# Altium PCB PCB_v2.PcbDoc (part 7 of 8) (continued)
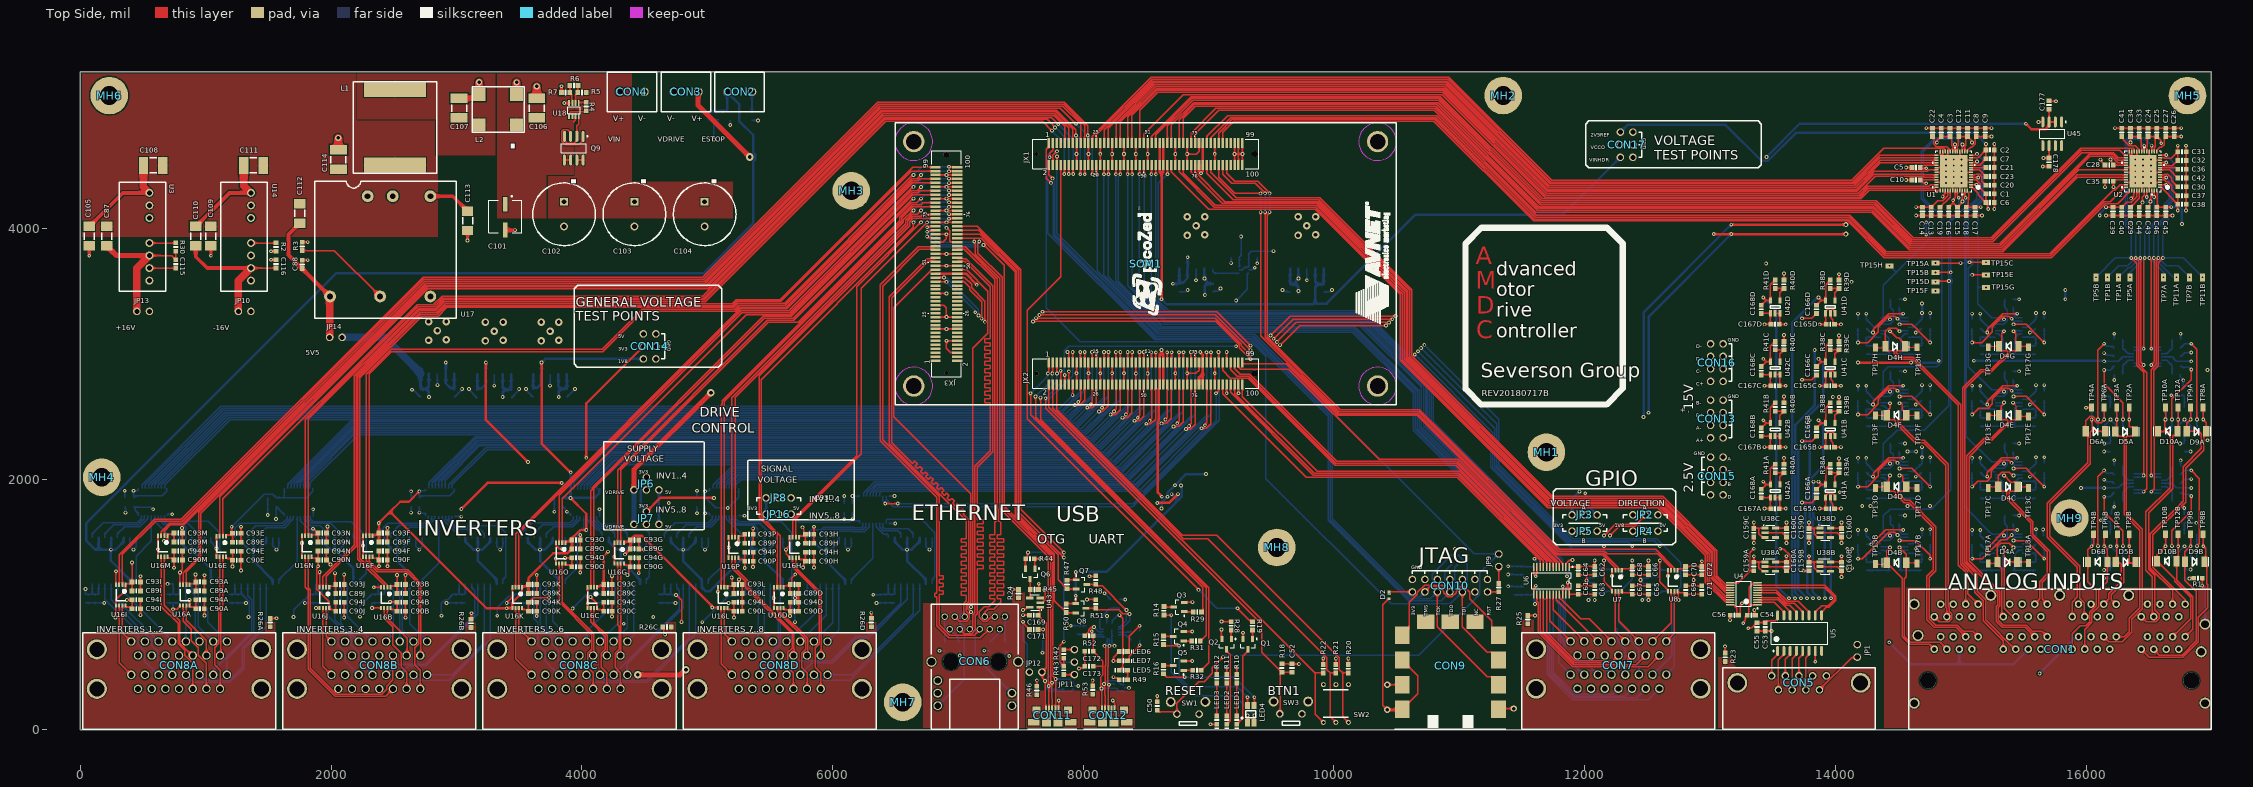
[diagram p0: Top Side view]
## Nets (pads, with @x,y where several pads share a name; then routed paths per layer and width w, separated by ;. In a path a pad name is that pad's centre, name@x,y a point inside that pad or via, vN(x,y) a via of type N, cw(c..) or ccw(c..) an arc to the next point about the centre after c; other vN are vias at no path point) (continued)
NetC59_2: C59.2 CON6.1 | length 137.3
  Bottom Side w10: C59.2@7255,698.9 7327.35,771.24 7327.35,795.38 CON6.1@7335,803.03
NetC60_2: C60.2 CON6.7 | length 204.1
  Bottom Side w10: C60.2@7375,698.9 CON6.7@7375,903.03
NetC87_2: C87.2 C115.2 JP13.2 R30.1 U3.6 | length 1150.5
  Top Side w10: U3.6@550,3783.81 726.93,3783.81 C115.2@760,3750.74 760,3817.82 R30.1@760.71,3818.53
  Top Side w40: C87.2@210,3861.05 287.23,3783.81 U3.6@550,3783.81
  Top Side w60: JP13.2@450,3338.53 450,3683.81 U3.6@550,3783.81
NetC88_2: C88.2 C112.2 JP14.2 U17.6 | length 1084.2
  Top Side w30: C112.2@1750,4042.52 1660,3952.52 1660,3788.33 C88.2@1768.28,3680.05 1768.28,3679.65 U17.6@1987.7,3460.22
  Top Side w60: JP14.2@1987.7,3131.37 U17.6@1987.7,3460.22
NetC101_1: C101.1 C106.2 L2.1 Q9.5 Q9.6 U18.7 | length 105.5
  Top Side w10: Q9.5@3860.67,4545.64 Q9.6@3910.67,4545.64 ; 3931.4,4849.04 3946.76,4864.41 3946.76,4894.1 U18.7@3949.63,4896.97
NetC107_2: C107.2 L1.1 L2.4
NetC110_2: C110.2 C116.1 JP10.1 U14.7 | length 1150.7
  Top Side w10: U14.7@1360,3683.81 C116.1@1560,3683.81
  Top Side w30: C110.2@920,3861.05 920,3774.65 1010.83,3683.81 U14.7@1360,3683.81
  Top Side w60: JP10.1@1260,3338.53 1260,3583.81 U14.7@1360,3683.81
NetC169_2: C169.2 CON11.1 D7.3 JP11.2 JP12.1 U43.1 | length 1466.1
  Top Side w10: U43.1@7657.32,977.6 7652.17,972.44 7652.17,928.7 C169.2@7638.46,915 7705,848.46 7705,495 JP12.1@7670,460 7675.41,454.59 7675.41,412.84 7695,393.25 v1(7695,390) 7698.31,386.69 7698.31,170.28 CON11.1@7701.18,167.4
  Bottom Side w10: D7.3@7922.4,324.41 7920.43,324.41 7902.56,306.54 7733.11,306.54 7695,344.64 v1(7695,390) 7845,540 JP11.2@7930,540
NetC170_2: C170.2 C171.2 JP12.2 | length 506
  Top Side w10: v1(7520,861.97) 7523.83,858.14 7523.83,847.71 C171.2@7571.54,800
  Bottom Side w10: v1(7520,861.97) C170.2@7520.04,715 7552.54,682.5 7552.54,490.99 7570,473.53 JP12.2@7570,460
NetC172_1: C172.1 C173.1 CON12.1 D8.3 R52.2 U44.7 | length 1037.2
  Top Side w10: v1(8067.46,786.63) 8067.46,761.01 R52.2@8078.46,750 8079.72,748.74 C172.1@8079.72,626.57 8157.43,548.87 8157.43,506.57 ; C173.1@8079.72,506.57 8157.43,506.57 ; CON12.1@8148.54,167.4 8146.77,169.17 8146.77,328.23 v1(8145,330) 8140,335 8140,421.9 8157.43,439.32 8157.43,506.57
  Bottom Side w10: v1(8067.46,786.63) 8093.62,760.47 U44.7@8157.92,760.47 ; v1(8145,330) 8263.87,330 8284.46,309.41 D8.3@8327.4,309.41
NetC174_2: C174.2 C175.2 U44.6 | length 228.3
  Bottom Side w10: C175.2@7950,761.54 C174.2@8025,761.54 8038.7,747.83 8085.04,747.83 8092.09,740.79 U44.6@8169.73,740.79
NetC176_2: C176.2 R56.2 U44.9 | length 302.3
  Bottom Side w10: U44.9@8157.92,799.84 8157.01,800.75 8138.93,800.75 8130.2,809.48 8130.2,884.02 8204.01,957.83 8206.3,957.83 C176.2@8220,971.54 R56.2@8290,971.54
NetC181A_2: C181A.2 R57A.2 U46A.3 | length 175.9
  Bottom Side w10: C181A.2@16293.46,2835 R57A.2@16293.46,2905 16337.48,2949.02 16379.84,2949.02 U46A.3@16380.75,2949.92
NetC181B_2: C181B.2 R57B.2 U46B.3 | length 175.9
  Bottom Side w10: C181B.2@16293.46,1825 R57B.2@16293.46,1895 16337.48,1939.02 16379.84,1939.02 U46B.3@16380.75,1939.92
NetC182A_1: C182A.1 R58A.2 U46A.5 | length 175.5
  Bottom Side w10: C182A.1@16293.46,3115 R58A.2@16293.46,3045 16336.46,3002.01 16379.84,3002.01 U46A.5@16380.75,3001.1
NetC182B_1: C182B.1 R58B.2 U46B.5 | length 175.5
  Bottom Side w10: C182B.1@16293.46,2105 R58B.2@16293.46,2035 16336.46,1992.01 16379.84,1992.01 U46B.5@16380.75,1991.1
NetC185A_2: C185A.2 R59A.2 U46A.10 | length 175.5
  Bottom Side w10: U46A.10@16599.25,3001.1 16600.16,3002.01 16643.54,3002.01 R59A.2@16686.54,3045 C185A.2@16686.54,3115
NetC185B_2: C185B.2 R59B.2 U46B.10 | length 175.5
  Bottom Side w10: U46B.10@16599.25,1991.1 16600.16,1992.01 16643.54,1992.01 R59B.2@16686.54,2035 C185B.2@16686.54,2105
NetC186A_1: C186A.1 R60A.2 U46A.12 | length 175.9
  Bottom Side w10: U46A.12@16599.25,2949.92 16600.16,2949.02 16642.52,2949.02 R60A.2@16686.54,2905 C186A.1@16686.54,2835
NetC186B_1: C186B.1 R60B.2 U46B.12 | length 175.9
  Bottom Side w10: U46B.12@16599.25,1939.92 16600.16,1939.02 16642.52,1939.02 R60B.2@16686.54,1895 C186B.1@16686.54,1825
NetCON2_2: CON2.2 R13.2 | length 160
  Bottom Side w15: R13.2@5356.85,4930 CON2.2@5356.85,5090
NetCON10_2: CON10.2 D2.C | length 186.1
  Top Side w10: D2.C@10440,1102.56 10441.28,1101.28 10623.72,1101.28 CON10.2@10625,1100
NetCON10_14: CON10.14 R27.2 | length 90.3
  Top Side w10: CON10.14@11225,1100 11314.21,1100 R27.2@11315,1100.79
NetJP2_2: JP2.2 U6.2 | length 821.8
  Top Side w10: U6.2@11850.16,1300.24 11850.16,1325.83 11859.84,1335.51 11859.84,1335.87 11875.39,1351.42 11898.83,1351.42 v1(11902.66,1355.25) ; v1(12155,1550) 12245,1640 12410,1640 JP2.2@12485,1715
  Ground Layer w10: v1(11902.66,1355.25) 11960.25,1355.25 v1(12155,1550)
NetJP4_2: JP4.2 U9.2 | length 1111
  Top Side w10: v1(12201.63,1550) 12276.63,1625 12445,1625 JP4.2@12485,1585
  Ground Layer w10: v1(11600,1365) 11634.75,1330.25 11981.88,1330.25 v1(12201.63,1550)
  Bottom Side w10: v1(11600,1365) 11600,1360.45 11618.94,1341.51 11618.94,1301.14 U9.2@11619.84,1300.24
NetJP9_2: JP9.2 R27.1 | length 135.2
  Top Side w10: R27.1@11315,1167.72 JP9.2@11315,1302.89
NetJP11_1: JP11.1 R42.2 | length 85.6
  Top Side w10: R42.2@7845,638.46 7846.54,640 JP11.1@7930,640
NetJP11_3: JP11.3 R43.2 | length 85.6
  Top Side w10: R43.2@7845,441.54 7846.54,440 JP11.3@7930,440
NetLED1_A: LED1.A R10.1 | length 263.1
  Top Side w10: LED1.A@9225,111.06 R10.1@9225,374.13
NetLED1_C: LED1.C Q1.3 | length 634.9
  Top Side w10: LED1.C@9225,44.13 9272.82,91.95 9272.82,587.62 9313.74,628.54 Q1.3@9313.74,642.32
NetLED2_A: LED2.A R11.1 | length 263.1
  Top Side w10: LED2.A@9145,111.06 R11.1@9145,374.13
NetLED2_C: LED2.C Q2.3 | length 622.5
  Top Side w10: Q2.3@9143.74,642.32 9143.74,628.54 9173.7,598.58 9173.7,72.83 LED2.C@9145,44.13
NetLED3_A: LED3.A R12.1 | length 263.1
  Top Side w10: LED3.A@9065,111.06 R12.1@9065,374.13
NetLED4_2: LED4.2 R14.2 | length 1378.4
  Top Side w10: R14.2@8643.62,916.34 8645.16,914.8 v1(8702.28,914.8) ; LED4.2@9363.9,56.1 9365,57.2 v1(9365,115)
  Bottom Side w10: v1(8702.28,914.8) 8702.28,461.15 8891.03,272.4 9207.6,272.4 v1(9365,115)
NetLED4_3: LED4.3 R15.2 | length 1055.3
  Top Side w10: R15.2@8642.13,679.8 8651.52,670.42 v1(8765,670.42) ; LED4.3@9308.78,193.9 9310,195.12 v1(9310,260)
  Bottom Side w10: v1(8765,670.42) 8765,419.64 8842.91,341.74 9228.26,341.74 v1(9310,260)
NetLED4_4: LED4.4 R16.2 | length 868.1
  Top Side w10: R16.2@8640.6,446.34 8666.94,420 v1(8810,420) ; LED4.4@9363.9,193.9 9365,195 v1(9365,260)
  Bottom Side w10: v1(8810,420) 9205,420 v1(9365,260)
NetLED5_A: LED5.A R49.1 | length 75
  Top Side w10: R49.1@8353.46,400 LED5.A@8353.46,475
NetLED5_C: LED5.C U44.14 | length 560.7
  Top Side w10: LED5.C@8286.54,475 8315.24,503.7 8315.24,889.76 v1(8290,915)
  Bottom Side w10: U44.14@8228.78,850.83 8229.69,851.74 8229.69,869.82 8271.04,911.17 8286.17,911.17 v1(8290,915)
NetLED6_C: LED6.C R54.1 | length 285.6
  Top Side w10: LED6.C@8353.46,625 8367.17,638.7 8367.17,747.17 v1(8450,830)
  Bottom Side w10: R54.1@8448.46,790 8450,791.54 v1(8450,830)
NetLED7_C: LED7.C R55.1 | length 205.6
  Top Side w10: LED7.C@8353.46,550 8367.17,563.7 8367.17,587.16 8450,669.99 v1(8450,675)
  Bottom Side w10: R55.1@8448.46,715 8450,713.46 v1(8450,675)
NetQ1_1: Q1.1 R19.1 | length 72
  Top Side w10: R19.1@9350,796.54 9351.14,795.39 Q1.1@9351.14,725
NetQ2_1: Q2.1 R28.1 | length 72.2
  Top Side w10: R28.1@9179.65,796.54 9179.65,726.5 Q2.1@9181.14,725
NetQ3_1: Q3.1 R29.1 | length 72.4
  Top Side w10: Q3.1@8804.96,942.4 8807.01,940.36 R29.1@8876.54,940.36
NetQ3_3: Q3.3 R14.1 | length 80.1
  Top Side w10: R14.1@8643.62,983.27 8647.09,979.8 Q3.3@8722.28,979.8
NetQ4_1: Q4.1 R31.1 | length 65.6
  Top Side w10: Q4.1@8800.6,708.42 8800.8,708.22 R31.1@8866.15,708.22
NetQ4_3: Q4.3 R15.1 | length 78.3
  Top Side w10: R15.1@8640.6,748.27 8643.05,745.82 Q4.3@8717.92,745.82
NetQ5_1: Q5.1 R32.1 | length 72.3
  Top Side w10: Q5.1@8800.6,475 R32.1@8872.87,475
NetQ5_3: Q5.3 R16.1 | length 77.7
  Top Side w10: R16.1@8640.6,513.27 8641.46,512.4 Q5.3@8717.92,512.4
NetQ6_3: Q6.3 R45.1 U43.4 | length 152.9
  Top Side w10: U43.4@7572.68,1052.4 7576.54,1056.26 Q6.3@7576.54,1203.66
NetQ7_3: Q7.3 R48.1 U44.17 | length 574.3
  Top Side w10: Q7.3@8026.34,1160 8098.46,1160 R48.1@8100,1161.54 8113.7,1147.83 8152.17,1147.83 v1(8345,955)
  Bottom Side w10: U44.17@8279.78,819.53 8291.59,819.53 8345,872.94 v1(8345,955)
NetQ8_3: Q8.3 R51.1 U44.18 | length 539.5
  Top Side w10: Q8.3@8021.34,970 R51.1@8097.21,970 ; R51.1@8098.75,971.54 8112.45,957.83 8282.52,957.83 8315.36,925 v1(8370,925)
  Bottom Side w10: U44.18@8279.78,799.84 8280.68,800.75 8298.76,800.75 8370,871.99 v1(8370,925)
NetQ9_1: Q9.1 Q9.3 | length 428.8
  Top Side w10: Q9.3@3910.67,4734.61 3910.67,4766.11 3888.86,4787.92 3851.63,4787.92 3838.86,4775.14 3838.86,4694.08 3866.63,4666.31 3973.86,4666.31 4010.67,4703.12 Q9.1@4010.67,4734.61
NetQ9_2: Q9.2 Q9.4 U18.8 | length 349.5
  Top Side w10: Q9.4@3860.67,4734.61 3860.67,4703.12 3882.48,4681.31 3938.86,4681.31 3960.67,4703.12 3960.67,4818.03 3975.23,4832.59 U18.8@3975.23,4896.97
NetR2_2: R2.2 U14.5 | length 200.7
  Top Side w10: U14.5@1360,3883.81 1558.36,3883.81 R2.2@1560,3885.46
NetR2A_2: R2A.2 R3A.1 U3A.9 | length 602.9
  Top Side w10: v1(15091.63,1365) 15171.78,1365 15321.78,1515 15366.63,1515 v1(15406.63,1555)
  Bottom Side w10: R3A.1@15089.7,1480 R2A.2@15089.7,1410 15091.63,1408.07 v1(15091.63,1365) ; v1(15406.63,1555) 15412.04,1555 15430.51,1536.53 U3A.9@15492.42,1536.53
NetR2B_2: R2B.2 R3B.1 U3B.9 | length 619.5
  Top Side w10: v1(14181.63,1365) 14216.28,1365 14426.28,1575 14474.21,1575 14494.21,1555 v1(14496.63,1555)
  Bottom Side w10: R3B.1@14179.7,1480 R2B.2@14179.7,1410 14181.63,1408.07 v1(14181.63,1365) ; v1(14496.63,1555) 14502.04,1555 14520.51,1536.53 U3B.9@14582.42,1536.53
NetR2C_2: R2C.2 R3C.1 U3C.9 | length 647.4
  Top Side w10: v1(15091.63,1940) 15134.93,1983.29 15210.28,1983.29 15245.97,2018.99 15245.97,2066.66 15329.31,2150 15384.21,2150 15404.21,2130 v1(15406.63,2130)
  Bottom Side w10: R3C.1@15089.7,2055 R2C.2@15089.7,1985 15091.63,1983.07 v1(15091.63,1940) ; v1(15406.63,2130) 15412.04,2130 15430.51,2111.53 U3C.9@15492.42,2111.53
NetR2D_2: R2D.2 R3D.1 U3D.9 | length 643.4
  Top Side w10: v1(14181.63,1940) 14256.99,1940 14343.55,2026.56 14343.55,2067.27 14426.28,2150 14474.21,2150 14494.21,2130 v1(14496.63,2130)
  Bottom Side w10: R3D.1@14179.7,2055 R2D.2@14179.7,1985 14181.63,1983.07 v1(14181.63,1940) ; v1(14496.63,2130) 14502.04,2130 14520.51,2111.53 U3D.9@14582.42,2111.53
NetR2E_2: R2E.2 R3E.1 U3E.9 | length 643.4
  Top Side w10: v1(15091.63,2515) 15143.17,2566.54 15218.53,2566.54 15253.55,2601.56 15253.55,2642.27 15336.28,2725 15384.21,2725 15404.21,2705 v1(15406.63,2705)
  Bottom Side w10: R3E.1@15089.7,2630 R2E.2@15089.7,2560 15091.63,2558.07 v1(15091.63,2515) ; v1(15406.63,2705) 15425.1,2686.53 U3E.9@15492.42,2686.53
NetR2F_2: R2F.2 R3F.1 U3F.9 | length 643.4
  Top Side w10: v1(14181.63,2515) 14256.99,2515 14343.55,2601.56 14343.55,2642.27 14426.28,2725 14474.21,2725 14494.21,2705 v1(14496.63,2705)
  Bottom Side w10: R3F.1@14179.7,2630 R2F.2@14179.7,2560 14181.63,2558.07 v1(14181.63,2515) ; v1(14496.63,2705) 14502.04,2705 14520.51,2686.53 U3F.9@14582.42,2686.53
NetR2G_2: R2G.2 R3G.1 U3G.9 | length 643.4
  Top Side w10: v1(15091.63,3090) 15166.99,3090 15253.55,3176.56 15253.55,3217.27 15336.28,3300 15384.21,3300 15404.21,3280 v1(15406.63,3280)
  Bottom Side w10: R3G.1@15089.7,3205 R2G.2@15089.7,3135 15091.63,3133.07 v1(15091.63,3090) ; v1(15406.63,3280) 15425.1,3261.53 U3G.9@15492.42,3261.53
NetR2H_2: R2H.2 R3H.1 U3H.9 | length 643.4
  Top Side w10: v1(14181.63,3090) 14256.99,3090 14343.55,3176.56 14343.55,3217.27 14426.28,3300 14474.21,3300 14494.21,3280 v1(14496.63,3280)
  Bottom Side w10: R3H.1@14179.7,3205 R2H.2@14179.7,3135 14181.63,3133.07 v1(14181.63,3090) ; v1(14496.63,3280) 14502.04,3280 14520.51,3261.53 U3H.9@14582.42,3261.53
NetR3_2: R3.2 U17.5 | length 774.5
  Top Side w10: R3.2@1768.28,3823.61 2024.58,3823.61 U17.5@2391.01,3457.17
NetR3A_2: R3A.2 R5A.1 U3A.8 | length 553.3
  Top Side w10: v1(15211.63,1445) 15211.63,1450.36 15356.28,1595 v1(15451.63,1595)
  Bottom Side w10: R3A.2@15156.63,1480 15187.81,1448.83 15207.81,1448.83 v1(15211.63,1445) ; R5A.1@15416.63,1645 15420.77,1640.86 15420.77,1580.86 15426.63,1575 ; v1(15451.63,1595) 15446.63,1595 15426.63,1575 ; U3A.8@15492.42,1562.12 15439.51,1562.12 15426.63,1575
NetR3B_2: R3B.2 R5B.1 U3B.8 | length 521.2
  Top Side w10: v1(14286.63,1480) 14401.63,1595 v1(14541.63,1595)
  Bottom Side w10: R3B.2@14246.63,1480 v1(14286.63,1480) ; R5B.1@14506.63,1645 14510.77,1640.86 14510.77,1580.86 14516.63,1575 ; v1(14541.63,1595) 14536.63,1595 14516.63,1575 ; U3B.8@14582.42,1562.12 14529.51,1562.12 14516.63,1575
NetR3C_2: R3C.2 R5C.1 U3C.8 | length 569.8
  Top Side w10: v1(15211.63,2020) 15211.63,2053.54 15328.1,2170 v1(15451.63,2170)
  Bottom Side w10: R3C.2@15156.63,2055 15187.81,2023.83 15207.81,2023.83 v1(15211.63,2020) ; R5C.1@15416.63,2220 15420.77,2215.86 15420.77,2155.86 15426.63,2150 ; v1(15451.63,2170) 15446.63,2170 15426.63,2150 ; U3C.8@15492.42,2137.12 15439.51,2137.12 15426.63,2150
NetR3D_2: R3D.2 R5D.1 U3D.8 | length 565.7
  Top Side w10: v1(14301.63,2020) 14305.06,2023.43 14305.06,2050 14425.06,2170 v1(14541.63,2170)
  Bottom Side w10: R3D.2@14246.63,2055 14277.81,2023.83 14297.81,2023.83 v1(14301.63,2020) ; R5D.1@14506.63,2220 14510.77,2215.86 14510.77,2155.86 14516.63,2150 ; v1(14541.63,2170) 14536.63,2170 14516.63,2150 ; U3D.8@14582.42,2137.12 14529.51,2137.12 14516.63,2150
NetR3E_2: R3E.2 R5E.1 U3E.8 | length 565.7
  Top Side w10: v1(15211.63,2595) 15215.06,2598.43 15215.06,2625 15335.06,2745 v1(15451.63,2745)
  Bottom Side w10: R3E.2@15156.63,2630 15187.81,2598.83 15207.81,2598.83 v1(15211.63,2595) ; R5E.1@15416.63,2795 15420.77,2790.86 15420.77,2730.86 15426.63,2725 ; v1(15451.63,2745) 15446.63,2745 15426.63,2725 ; U3E.8@15492.42,2712.12 15439.51,2712.12 15426.63,2725
NetR3F_2: R3F.2 R5F.1 U3F.8 | length 565.7
  Top Side w10: v1(14301.63,2595) 14305.06,2598.43 14305.06,2625 14425.06,2745 v1(14541.63,2745)
  Bottom Side w10: R3F.2@14246.63,2630 14277.81,2598.83 14297.81,2598.83 v1(14301.63,2595) ; R5F.1@14506.63,2795 14510.77,2790.86 14510.77,2730.86 14516.63,2725 ; v1(14541.63,2745) 14536.63,2745 14516.63,2725 ; U3F.8@14582.42,2712.12 14529.51,2712.12 14516.63,2725
NetR3G_2: R3G.2 R5G.1 U3G.8 | length 565.7
  Top Side w10: v1(15211.63,3170) 15215.06,3173.43 15215.06,3200 15335.06,3320 v1(15451.63,3320)
  Bottom Side w10: R3G.2@15156.63,3205 15187.81,3173.83 15207.81,3173.83 v1(15211.63,3170) ; R5G.1@15416.63,3370 15420.77,3365.86 15420.77,3305.86 15426.63,3300 ; v1(15451.63,3320) 15446.63,3320 15426.63,3300 ; U3G.8@15492.42,3287.12 15439.51,3287.12 15426.63,3300
NetR3H_2: R3H.2 R5H.1 U3H.8 | length 565.7
  Top Side w10: v1(14301.63,3170) 14305.06,3173.43 14305.06,3200 14425.06,3320 v1(14541.63,3320)
  Bottom Side w10: R3H.2@14246.63,3205 14277.81,3173.83 14297.81,3173.83 v1(14301.63,3170) ; R5H.1@14506.63,3370 14510.77,3365.86 14510.77,3305.86 14516.63,3300 ; v1(14541.63,3320) 14536.63,3320 14516.63,3300 ; U3H.8@14582.42,3287.12 14529.51,3287.12 14516.63,3300
NetR4_1: R4.1 U18.5 | length 165.7
  Top Side w10: U18.5@3898.45,4896.97 3898.45,4913.12 3906.17,4920.83 3906.17,4925.13 3912.03,4930.99 4026.79,4930.99 R4.1@4034.81,4939.01
NetR5_1: R5.1 R6.2 U18.2 | length 148.2
  Top Side w10: U18.2@3949.63,5000.12 3949.63,5066.88 R5.1@3967.88,5085.12 3967.88,5138.49 R6.2@3969.51,5140.12
NetR6_1: R6.1 R7.2 U18.3 | length 148.9
  Top Side w10: R6.1@3902.58,5140.12 3904.35,5138.35 R7.2@3904.35,5085.12 3918.05,5071.42 3918.05,5022.26 3924.04,5016.27 U18.3@3924.04,5000.12
NetR8A_2: R8A.2 R9A.1 U3A.10 | length 491.4
  Top Side w10: v1(15421.63,1510) 15521.63,1510 15561.63,1470 15561.99,1470 15576.63,1455.36 15576.63,1455 v1(15666.63,1365)
  Bottom Side w10: v1(15421.63,1510) 15422.1,1510.47 15491.95,1510.47 U3A.10@15492.42,1510.94 ; v1(15666.63,1365) R8A.2@15666.63,1410 R9A.1@15666.63,1480
NetR8B_2: R8B.2 R9B.1 U3B.10 | length 506.5
  Top Side w10: v1(14511.63,1510) 14511.99,1509.64 14638.08,1509.64 14756.63,1391.1 v1(14756.63,1365)
  Bottom Side w10: v1(14511.63,1510) 14512.1,1510.47 14581.95,1510.47 U3B.10@14582.42,1510.94 ; v1(14756.63,1365) R8B.2@14756.63,1410 R9B.1@14756.63,1480
NetR8C_2: R8C.2 R9C.1 U3C.10 | length 491.4
  Top Side w10: v1(15421.63,2085) 15521.63,2085 15561.63,2045 15561.99,2045 15576.63,2030.36 15576.63,2030 v1(15666.63,1940)
  Bottom Side w10: v1(15421.63,2085) 15422.1,2085.47 15491.95,2085.47 U3C.10@15492.42,2085.94 ; v1(15666.63,1940) R8C.2@15666.63,1985 R9C.1@15666.63,2055
NetR8D_2: R8D.2 R9D.1 U3D.10 | length 491.4
  Top Side w10: v1(14511.63,2085) 14611.63,2085 14651.63,2045 14651.99,2045 14666.63,2030.36 14666.63,2030 v1(14756.63,1940)
  Bottom Side w10: v1(14511.63,2085) 14512.1,2085.47 14581.95,2085.47 U3D.10@14582.42,2085.94 ; v1(14756.63,1940) R8D.2@14756.63,1985 R9D.1@14756.63,2055
NetR8E_2: R8E.2 R9E.1 U3E.10 | length 491.4
  Top Side w10: v1(15421.63,2660) 15521.63,2660 15561.63,2620 15561.99,2620 15576.63,2605.36 15576.63,2605 v1(15666.63,2515)
  Bottom Side w10: v1(15421.63,2660) 15422.1,2660.47 15491.95,2660.47 U3E.10@15492.42,2660.94 ; v1(15666.63,2515) R8E.2@15666.63,2560 R9E.1@15666.63,2630
NetR8F_2: R8F.2 R9F.1 U3F.10 | length 491.4
  Top Side w10: v1(14511.63,2660) 14611.63,2660 14651.63,2620 14651.99,2620 14666.63,2605.36 14666.63,2605 v1(14756.63,2515)
  Bottom Side w10: v1(14511.63,2660) 14512.1,2660.47 14581.95,2660.47 U3F.10@14582.42,2660.94 ; v1(14756.63,2515) R8F.2@14756.63,2560 R9F.1@14756.63,2630
NetR8G_2: R8G.2 R9G.1 U3G.10 | length 491.4
  Top Side w10: v1(15421.63,3235) 15521.63,3235 15561.63,3195 15561.99,3195 15576.63,3180.36 15576.63,3180 v1(15666.63,3090)
  Bottom Side w10: v1(15421.63,3235) 15422.1,3235.47 15491.95,3235.47 U3G.10@15492.42,3235.94 ; v1(15666.63,3090) R8G.2@15666.63,3135 R9G.1@15666.63,3205
NetR8H_2: R8H.2 R9H.1 U3H.10 | length 491.4
  Top Side w10: v1(14511.63,3235) 14611.63,3235 14651.63,3195 14651.99,3195 14666.63,3180.36 14666.63,3180 v1(14756.63,3090)
  Bottom Side w10: v1(14511.63,3235) 14512.1,3235.47 14581.95,3235.47 U3H.10@14582.42,3235.94 ; v1(14756.63,3090) R8H.2@14756.63,3135 R9H.1@14756.63,3205
NetR30_2: R30.2 U3.5 | length 211.4
  Top Side w10: U3.5@550,3883.81 759.06,3883.81 R30.2@760.71,3885.46
NetR38A_1: R38A.1 R39A.2 U41A.4 | length 178.5
  Top Side w10: R38A.1@13960,2051.54 R39A.2@14030,2051.54 13997.4,2018.94 U41A.4@13997.4,1956.57
NetR38B_1: R38B.1 R39B.2 U41B.4 | length 178.5
  Top Side w10: R38B.1@13960,2541.54 R39B.2@14030,2541.54 13997.4,2508.94 U41B.4@13997.4,2446.57
NetR38C_1: R38C.1 R39C.2 U41C.4 | length 178.5
  Top Side w10: R38C.1@13960,3031.54 R39C.2@14030,3031.54 13997.4,2998.94 U41C.4@13997.4,2936.57
NetR38D_1: R38D.1 R39D.2 U41D.4 | length 178.5
  Top Side w10: R38D.1@13960,3521.54 R39D.2@14030,3521.54 13997.4,3488.94 U41D.4@13997.4,3426.57
NetR40A_1: R40A.1 R41A.2 U42A.4 | length 178.5
  Top Side w10: R41A.2@13520,2051.54 R40A.1@13590,2051.54 13557.4,2018.94 U42A.4@13557.4,1956.57
NetR40B_1: R40B.1 R41B.2 U42B.4 | length 178.5
  Top Side w10: R41B.2@13520,2541.54 R40B.1@13590,2541.54 13557.4,2508.94 U42B.4@13557.4,2446.57
NetR40C_1: R40C.1 R41C.2 U42C.4 | length 178.5
  Top Side w10: R41C.2@13520,3031.54 R40C.1@13590,3031.54 13557.4,2998.94 U42C.4@13557.4,2936.57
NetR40D_1: R40D.1 R41D.2 U42D.4 | length 178.5
  Top Side w10: R41D.2@13520,3521.54 R40D.1@13590,3521.54 13557.4,3488.94 U42D.4@13557.4,3426.57
NetR52_1: R52.1 U44.8 | length 201.3
  Top Side w10: R52.1@8011.54,750 8042.46,780.92 8042.46,796.99 8061.65,816.17 8081.17,816.17 v1(8085,820)
  Bottom Side w10: v1(8085,820) 8123.94,781.06 8157.01,781.06 U44.8@8157.92,780.16
NetR54_2: R54.2 U44.19 | length 105.8
  Bottom Side w10: U44.19@8279.78,780.16 8371.69,780.16 R54.2@8381.54,790
NetR55_2: R55.2 U44.20 | length 120.6
  Bottom Side w10: U44.20@8279.78,760.47 8336.06,760.47 R55.2@8381.54,715
NetU12A_1: U12A.1 U13A.19 | length 525.5
  Bottom Side w10: U12A.1@5799.98,1532.09 5799.98,1563.58 5831.4,1595 5910.19,1595 5930.58,1615.39 6171.44,1615.39 6174.95,1611.89 6231.24,1611.89 6239.98,1620.62 6239.98,1642.64 U13A.19@6243.83,1646.5
NetU12A_3: U12A.3 U13A.18 | length 451.1
  Bottom Side w10: U12A.3@5899.98,1532.09 5899.98,1563.58 5936.8,1600.39 6165.23,1600.39 6168.74,1596.89 6241.83,1596.89 6265.57,1620.62 6265.57,1642.64 U13A.18@6269.42,1646.5
NetU12A_5: U12A.5 U13A.17 | length 376.7
  Bottom Side w10: U12A.5@5999.98,1532.09 5999.98,1563.58 6021.8,1585.39 6159.02,1585.39 6162.52,1581.89 6252.42,1581.89 6291.16,1620.62 6291.16,1642.64 U13A.17@6295.02,1646.5
NetU12A_9: U12A.9 U13A.16 | length 552
  Bottom Side w10: U12A.9@6149.98,1165.16 6149.98,1196.65 6320.61,1367.28 U13A.16@6320.61,1646.5
NetU12B_1: U12B.1 U13B.19 | length 491.1
  Bottom Side w10: U12B.1@4658.45,1532.09 4658.45,1563.58 4745.97,1651.1 5009.64,1651.1 5041.76,1683.22 5041.76,1704.49 U13B.19@5045.61,1708.35
NetU12B_3: U12B.3 U13B.18 | length 416.7
  Bottom Side w10: U12B.3@4758.45,1532.09 4758.45,1563.58 4830.97,1636.1 5020.23,1636.1 5067.35,1683.22 5067.35,1704.49 U13B.18@5071.2,1708.35
NetU12B_5: U12B.5 U13B.17 | length 342.3
  Bottom Side w10: U12B.5@4858.45,1532.09 4858.45,1563.58 4915.97,1621.1 5030.82,1621.1 5092.94,1683.22 5092.94,1704.49 U13B.17@5096.8,1708.35
NetU12B_9: U12B.9 U13B.16 | length 590.4
  Bottom Side w10: U12B.9@5008.45,1165.16 5008.45,1196.65 5122.39,1310.59 U13B.16@5122.39,1708.35
NetU12C_1: U12C.1 U13C.19 | length 521.1
  Bottom Side w10: U12C.1@3516.91,1532.09 3516.91,1563.58 3603.93,1650.6 3907.65,1650.6 3932.68,1675.62 3932.68,1697.64 U13C.19@3936.54,1701.5
NetU12C_3: U12C.3 U13C.18 | length 453.5
  Bottom Side w10: U12C.3@3618.84,1532.09 3618.84,1565.51 3688.93,1635.6 3918.24,1635.6 3958.27,1675.62 3958.27,1705.24 U13C.18@3962.13,1709.09
NetU12C_5: U12C.5 U13C.17 | length 372.3
  Bottom Side w10: U12C.5@3716.91,1532.09 3716.91,1563.58 3773.93,1620.6 3928.83,1620.6 3983.86,1675.62 3983.86,1697.64 U13C.17@3987.72,1701.5
NetU12C_9: U12C.9 U13C.16 | length 597
  Bottom Side w10: U12C.9@3866.91,1165.16 3866.91,1196.65 3962.48,1292.22 3962.48,1565.36 4013.31,1616.18 U13C.16@4013.31,1701.5
NetU12D_1: U12D.1 U13D.19 | length 509.1
  Bottom Side w10: U12D.1@2375.38,1532.09 2375.38,1563.58 2414.21,1602.42 2414.21,1612.64 2449.5,1647.93 2741.2,1647.93 2776.5,1683.22 2776.5,1698.74 U13D.19@2780.35,1702.6
NetU12D_3: U12D.3 U13D.18 | length 428.7
  Bottom Side w10: U12D.3@2475.38,1532.09 2475.38,1563.58 2543.59,1631.8 2750.66,1631.8 2802.09,1683.22 2802.09,1698.74 U13D.18@2805.94,1702.6
NetU12D_5: U12D.5 U13D.17 | length 354.3
  Bottom Side w10: U12D.5@2575.38,1532.09 2575.38,1563.58 2628.59,1616.8 2761.25,1616.8 2827.68,1683.22 2827.68,1698.74 U13D.17@2831.54,1702.6
NetU12D_9: U12D.9 U13D.16 | length 592
  Bottom Side w10: U12D.9@2725.38,1165.16 2725.38,1196.65 2857.13,1328.4 U13D.16@2857.13,1702.6
NetU12E_1: U12E.1 U13E.19 | length 542.8
  Bottom Side w10: U12E.1@1232.7,1532.09 1232.7,1607.58 1271.82,1646.71 1611.16,1646.71 1647.68,1683.22 1647.68,1698.74 U13E.19@1651.54,1702.6
NetU12E_3: U12E.3 U13E.18 | length 442.1
  Bottom Side w10: U12E.3@1333.84,1532.09 1333.84,1564.72 1396.88,1627.76 1617.81,1627.76 1673.27,1683.22 1673.27,1698.74 U13E.18@1677.13,1702.6
NetU12E_5: U12E.5 U13E.17 | length 367.7
  Bottom Side w10: U12E.5@1433.84,1532.09 1433.84,1564.72 1481.88,1612.76 1628.4,1612.76 1698.86,1683.22 1698.86,1698.74 U13E.17@1702.72,1702.6
NetU12E_9: U12E.9 U13E.16 | length 597.8
  Bottom Side w10: U12E.9@1582.7,1165.16 1582.7,1196.65 1728.31,1342.26 U13E.16@1728.31,1702.6
NetU12F_1: U12F.1 U13F.19 | length 498.3
  Bottom Side w10: U12F.1@94.63,1532.09 94.63,1563.58 181.65,1650.6 451.83,1650.6 484.45,1683.22 484.45,1705.24 U13F.19@488.31,1709.09
NetU12F_3: U12F.3 U13F.18 | length 423.9
  Bottom Side w10: U12F.3@194.63,1532.09 194.63,1563.58 266.65,1635.6 462.42,1635.6 510.04,1683.22 510.04,1705.24 U13F.18@513.9,1709.09
NetU12F_5: U12F.5 U13F.17 | length 349.5
  Bottom Side w10: U12F.5@294.63,1532.09 294.63,1563.58 351.65,1620.6 473.01,1620.6 535.63,1683.22 535.63,1705.24 U13F.17@539.49,1709.09
NetU12F_9: U12F.9 U13F.16 | length 593.8
  Bottom Side w10: U12F.9@444.63,1165.16 444.63,1386.62 565.08,1507.07 U13F.16@565.08,1709.09
NetU13A_12: U13A.12 U15A.9 | length 881.9
  Bottom Side w10: U13A.12@6422.97,1646.5 6426.83,1650.35 6426.83,1672.37 6435.56,1681.1 6709.85,1681.1 6816.8,1574.15 6816.8,1220 6794.98,1198.19 U15A.9@6794.98,1166.69
NetU13A_13: U13A.13 U15A.5 | length 325.7
  Bottom Side w10: U13A.13@6397.38,1646.5 6401.24,1642.64 6401.24,1620.62 6416.86,1605 6605.1,1605 6644.98,1565.12 U15A.5@6644.98,1533.62
NetU13A_14: U13A.14 U15A.3 | length 251.3
  Bottom Side w10: U13A.14@6371.79,1646.5 6375.65,1642.64 6375.65,1620.62 6406.27,1590 6520.1,1590 6544.98,1565.12 U15A.3@6544.98,1533.62